# Altium PCB 大创_电机驱动底层板.PcbDoc
Units mm, origin at the board's own origin, x right, y up, seen from the top; angles counter-clockwise.
Board outline 99 x 99 mm, 2 copper layers (Top Layer, Bottom Layer); 26 components, 36 nets, 142 pads, 43 vias.
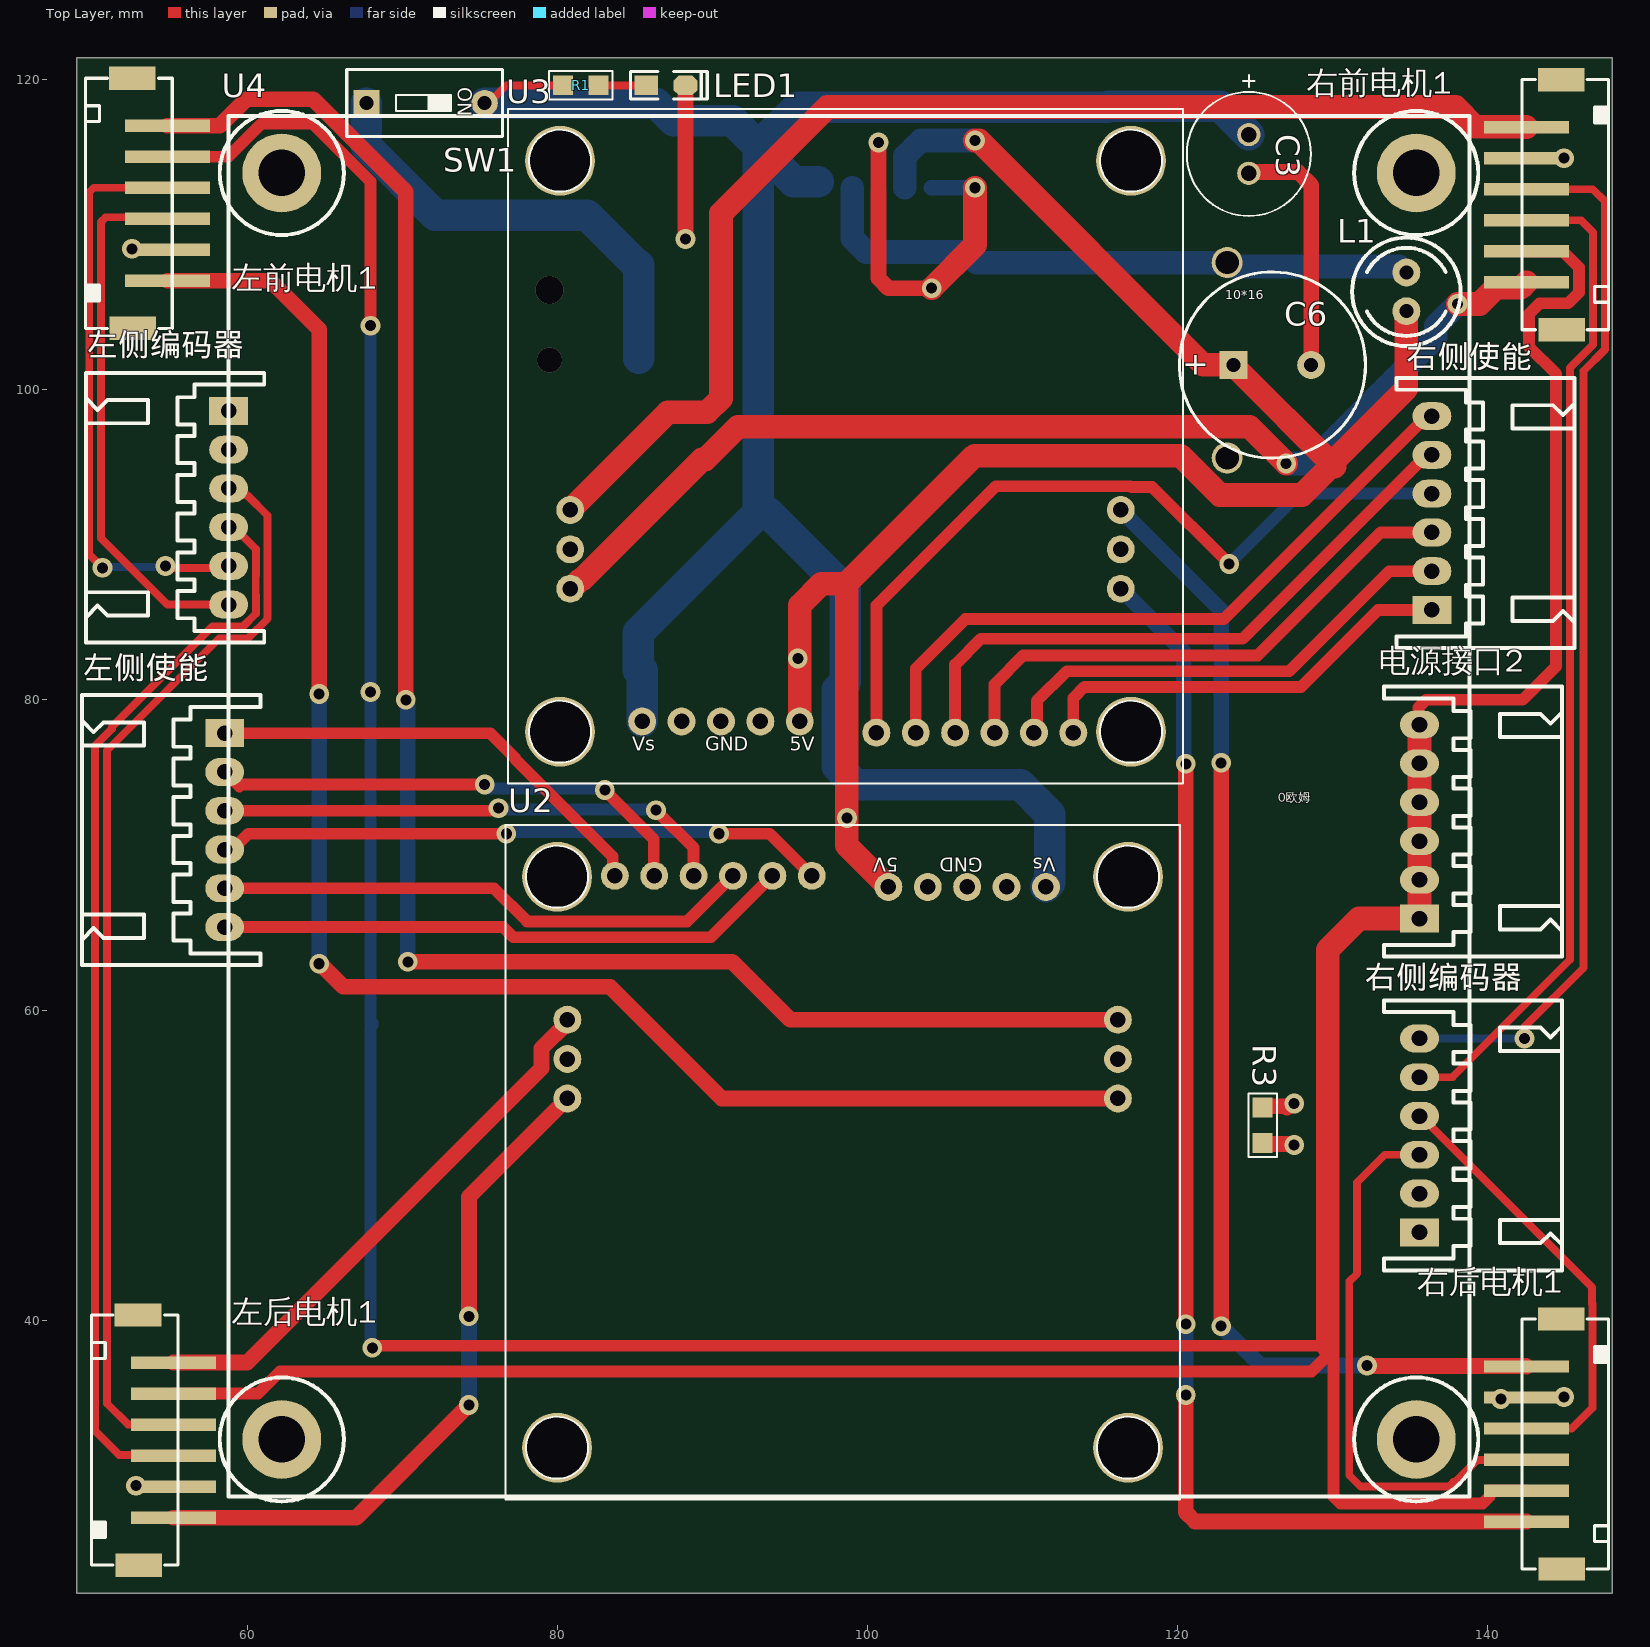
[diagram p0: Top Layer view]
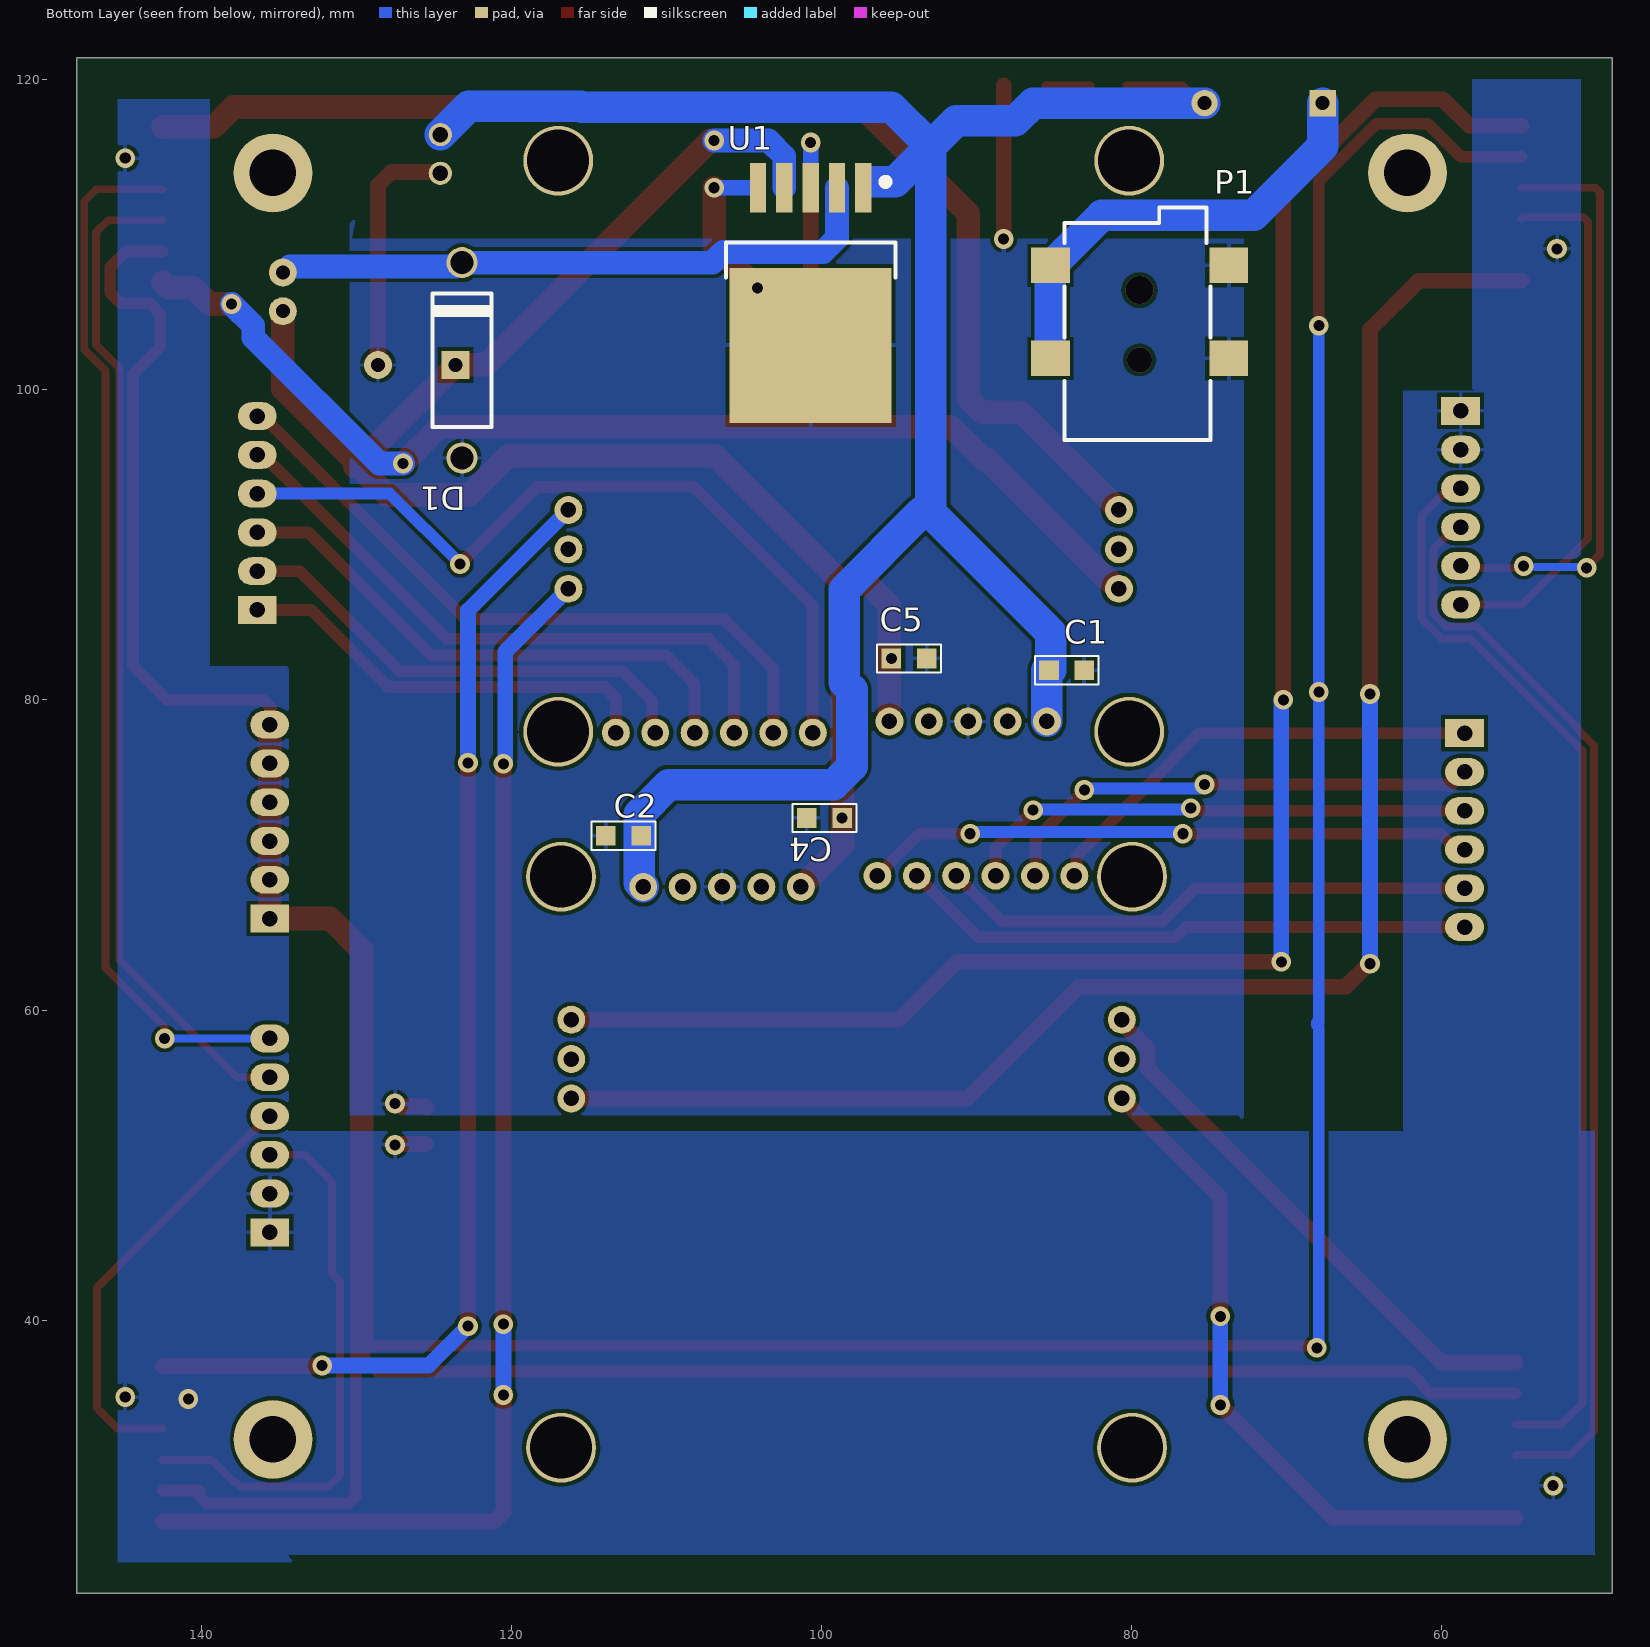
[diagram p1: Bottom Layer view, seen from below]

## Layer stack, top to bottom
Top Solder: solder mask 0.0102, Solder Resist, Dk 3.5
Top Layer: signal copper 0.0356
Dielectric 1: dielectric 0.32, FR-4, Dk 4.8
Bottom Layer: signal copper 0.0356
Bottom Solder: solder mask 0.0102, Solder Resist, Dk 3.5

## Board outline
49.022,22.412 49.022,121.412 148.022,121.412 148.022,22.412

## Design rules (kind name [scope] priority, off if disabled: settings)
Clearance [All] p1: gap=0.254 ignorepadtopadclearanceinfootprint=FALSE except(0: Arc-Hole Track-Hole SMDPad-Hole THPad-Hole Via-Hole Fill-Hole Poly-Hole Region-Hole Text-Hole)
HoleSize [All] p1: absolutevalues=TRUE maxlimit=1119.426 minlimit=0.025 maxpercent=80.000 minpercent=20.000
PolygonConnect [All] p1: connectstyle=Relief reliefconductorwidth=0.254 reliefentries=4 polygonreliefangle="90 Angle" airgapwidth=0.254
RoutingVias [All] p1: holewidth=0.711 width=1.27 viastyle="Through Hole" minholewidth=0.711 minwidth=1.27 maxholewidth=0.711 maxwidth=1.27
SilkToSilkClearance [All] p1: silktosilkclearance=0.025
SilkToSolderMaskClearance [IsPad] p1: minsilkscreentomaskgap=0.025 clearancetoexposedcopper=TRUE
SolderMaskExpansion [All] p1: expansion=0.102 istentingtop=FALSE
Width [All] p1: maxlimit=2.54 minlimit=0.254 preferedwidth=0.508 minimp=50.000000 maximp=50.000000 favimp=50.000000
27 further rules are at their usual default settings.

## Components (designator, comment, footprint, x,y, rotation, side; value= is the part's Value field where it differs from the comment)
C1 "100nF" "C 0805_M" 84.201,81.915 r180 bottom
C2 "100nF" "C 0805_M" 112.776,71.247 r0 bottom
C3 "100uF" C-引线铝电解电容-6.3*11 124.587,115.209 r270 top locked value=68uF
C4 "100nF" "C 0805_M" 99.822,72.39 r0 bottom
C5 "100nF" "C 0805_M" 94.361,82.677 r180 bottom
C6 "330uF 铝电解" "C_引线铝电解电容 10*16" 126.111,101.6 r0 top value=330uF
D1 "IN5822" D_直插_IN5822 123.19,102.031 r90 bottom
L1 "Inductor" 电感(PK0608) 134.747,106.319 r90 top locked value=330uH
LED1 "电源指示" "LED 0805R" 86.995,119.634 r0 top
P1 "POWER" 电源插座DC-050-5.5*2.1_贴片 79.502,106.426 r90 bottom
R1 "12k" "R 0805_M" 81.506,119.634 r180 top
R3 "0欧姆" "R 0805_M" 125.476,52.578 r270 top
SW1 "" 蓝色拨码开关_1p 71.501,118.491 r270 top
U1 "LM2575-5.0" TO263-5A 100.711,113.284 r0 bottom
U2 "红色L298N模块" 红色L298N模块 120.146,28.445 r180 top locked
U3 "红色L298N模块" 红色L298N模块 76.831,118.113 r0 top locked
U4 "STM32F103ZET6_MCU_PCB" STM32F103ZET6_MCU模块 98.806,73.152 r0 top locked
右侧使能 "XH6" XH6/2.54mm/90 136.398,85.805 r90 top (schematic designator XH3)
右侧编码器 "XH6" XH6/2.54mm/90 135.594,45.673 r90 top (schematic designator XH5)
右前电机1 "电机走线-6pin" PH2.0S-6P 142.494,116.935 r270 top
右后电机1 "电机走线-6pin" PH2.0S-6P 142.494,37.02 r270 top
左侧使能 "XH6" XH6/2.54mm/90 58.547,77.858 r270 top (schematic designator XH2)
左侧编码器 "XH6" XH6/2.54mm/90 58.801,98.646 r270 top (schematic designator XH4)
左前电机1 "电机走线-6pin" PH2.0S-6P 54.864,107.03 r90 top
左后电机1 "电机走线-6pin" PH2.0S-6P 55.245,27.274 r90 top
电源接口2 "XH6" XH6/2.54mm/90 135.594,65.906 r90 top (schematic designator XH6)

## Footprints (in the part's own frame and the unit in brackets; to place one, negate y for a bottom-side part, rotate by r counter-clockwise, add the part's x,y. Pads: shape width x height; smd on the part's side, far side on the other; paste and mask are expansions set on the pad)
"C 0805_M" [mil] "1/8W贴片电阻"
  rect 50x50 smd: 1(-45,0) 2(45,0)
  silkscreen extent -81,-36 81,36, body extent -39,-25 39,25, height 20
C-引线铝电解电容-6.3*11 [mm]
  round 1.5 hole 1 paste+0: 1(-1.25,0) 2(1.25,0)
  silkscreen extent -5.08,-4 4,4
"C_引线铝电解电容 10*16" [mm] "Polarized Capacitor (Radial); 2 Leads"
  rect 1.8x1.8 hole 0.9: 1(-2.5,0)
  round 1.8 hole 0.9: 2(2.5,0)
  silkscreen extent -6,-6 6,6
D_直插_IN5822 [mm]
  round 2 hole 1.5: 1(-6.427,0) 2(6.173,0)
  silkscreen extent -4.43,-1.9 4.17,1.9
"LED 0805R" [mil] "红色0805LED"
  rect 60x50 smd: 1(-50,0)
  oct 60x50 smd: 2(50,0)
  silkscreen extent -90,-35 105,35, body extent -39,-25 39,25, height 32
PH2.0S-6P [mm]
  rect 1.5x3 smd: 0(-3.064,2.238) 0(13.064,2.286)
  rect 0.8x5.5 smd: 1(0,0) 2(2,0) 3(4,0) 4(6,0) 5(8,0) 6(10,0)
  silkscreen extent -3.06,-0.3 13.06,5.29, body extent -3,-2.5 13,5.3, height 6.15
"R 0805_M" [mil] "1/8W贴片电阻"
  rect 50x50 smd: 1(-45,0) 2(45,0)
  silkscreen extent -81,-36 81,36, body extent -39,-25 39,25, height 20
STM32F103ZET6_MCU模块 [mil] "M3铜柱，长：10mm"
  round 200 hole 118.11: 1(-1440,1607.5) 2(1440,1607.5) 3(-1440,-1607.5) 4(1440,-1607.5)
  silkscreen extent -1597,-1765 1597,1765, body extent -1546,-1700 1546,1700, height 396
TO263-5A [mm] "263，5脚晶体管"
  rect 1.05x3.2 smd: 1(-3.4,0.254) 2(-1.7,0.254) 3(0,0.254) 4(1.7,0.254) 5(3.4,0.254)
  rect 10.45x10 smd: 6(0,10.414)
  silkscreen extent -5.46,-0.33 5.46,6.04, body extent -5,0.24 5,13.57, height 4.5
XH6/2.54mm/90 [mm]
  rect 1.8x2.5 hole 1: 1(0,0)
  oval 1.8x2.5 hole 1: 2(2.5,0) 3(5,0) 4(7.5,0) 5(10,0) 6(12.5,0)
  silkscreen extent -2.45,-9.2 14.95,2.3, body extent -2.45,-9.2 14.95,2.3, height 6.1
电感(PK0608) [mm] "2.5*7*10mm(脚距，直径，高）"
  round 1.8 hole 0.9: 1(-1.25,0) 2(1.25,0)
  silkscreen extent -3.5,-3.5 3.5,3.5, body extent -3.5,-3.5 3.5,3.5, height 10.02
电源插座DC-050-5.5*2.1_贴片 [mm] "5.5*2.1"
  rect 2.3x2.5 smd: 1(-4.4,5.75) 1(1.6,5.75) 2(-4.4,-5.75) 3(1.6,-5.75)
  silkscreen extent -9.65,-4.57 5.33,4.83, body extent -9.59,-6.3 5.21,6.3, height 11
红色L298N模块 [mm]
  round 4.5 hole 4 unplated paste+0: 0(3.34,-40.16) 0(3.34,-3.34) 0(40.16,-3.34) 0(40.16,-40.16)
  round 1.8 hole 1 paste+0: 0(4,-28.4) 0(11.18,-39.5) 0(16.26,-39.5) 0(39.5,-28.4) 1(8.64,-39.5) 2(13.72,-39.5) 3(18.8,-39.5) 4(23.74,-40.22) 5(26.28,-40.22) 6(28.82,-40.22) 7(31.36,-40.22) 8(33.9,-40.22) 9(36.44,-40.22) 10(4,-25.86) 11(4,-30.94) 12(39.5,-25.86) 13(39.5,-30.94)
  silkscreen extent 0,-43.5 43.5,0
蓝色拨码开关_1p [mm] "4.1*9.9*7mm"
  rect 1.7x1.7 hole 0.9: 1(0,-3.81)
  round 1.7 hole 0.9: 2(0,3.81)
  silkscreen extent -2.16,-5.08 2.16,4.95, body extent -2.07,-4.95 2.03,4.95, height 6.65

## Part data
C1 C2 C4 C5: library part C0805, "瓷片0805电容"
C3: library part "Cap Pol1", "引线 铝电解电容 100uF 50V", LatestRevisionDate=17-Jul-2002, LatestRevisionNote="Re-released for DXP Platform.", PackageDescription="Polarized Capacitor (Radial); 2 Leads", PackageReference=RB7.6-15, Published=8-Jun-2000, Publisher="Altium Limited"
C6: library part "Cap Pol1", "50V 330uF 铝电解电容", LatestRevisionDate=17-Jul-2002, LatestRevisionNote="Re-released for DXP Platform.", PackageDescription="Polarized Capacitor (Radial); 2 Leads", PackageReference=RB7.6-15, Published=8-Jun-2000, Publisher="Altium Limited"
D1: library part Diode, "肖特基直插 最大整流3A", Code_JEDEC=DO-214-AB, LatestRevisionDate=17-Jul-2002, LatestRevisionNote="Re-released for DXP Platform.", PackageDescription="DO-214-AB/SMC; 2 C-Bend Leads; Body 7.9 x 5.9 mm, inc. leads (LxW)", PackageReference=SMC, PackageVersion=Sep-1996, Published=8-Jun-2000, Publisher="Altium Limited"
LED1: library part LED-SMD, "贴片LED", BOM名称=贴片LED, 学习资源=https://lmdzstyle.taobao.com/, 版权归属=黎明电子style
R1 R3: library part R, "贴片电阻", BOM名称=贴片电阻, 学习资源=https://lmdzstyle.taobao.com/, 版权归属=黎明电子style
SW1: library part "TSW 3x6", "船型开关", BOM名称=3x6轻触开关, 学习资源=https://lmdzstyle.taobao.com/, 版权归属=黎明电子style
U1: "降压芯片"
L1: Code_IEC=1005, Code_JEITA=0402, LatestRevisionDate=29-May-2009, LatestRevisionNote="IPC-7351 Footprint Added.", PackageDescription="Chip Inductor", PackageReference=0402-A, Published=8-Jun-2000, Publisher="Altium Limited"

## Via types
v1: diameter 1.27, hole 0.711, Top Layer to Bottom Layer, 41 vias
v2: diameter 1.8, hole 1.8, Top Layer to Bottom Layer, 1 vias
v3: diameter 1.6, hole 1.6, Top Layer to Bottom Layer, 1 vias

## Nets (pads, with @x,y where several pads share a name; then routed paths per layer and width w, separated by ;. In a path a pad name is that pad's centre, name@x,y a point inside that pad or via, vN(x,y) a via of type N, cw(c..) or ccw(c..) an arc to the next point about the centre after c; other vN are vias at no path point)
GGND: R3.2 右侧编码器.1 右侧编码器.2 右前电机1.2 右后电机1.2 左侧编码器.1 左侧编码器.2 左前电机1.2 左后电机1.2 | length 2.1
  Top Layer w0.508: R3.2 R3.2@125.539,51.371 ; v1@127.444,51.371 v1(127.508,51.308)
  Top Layer w1.016: R3.2@125.539,51.371 v1@127.444,51.371
  other v1: 52.832,29.337 140.843,34.925 144.907,35.052 52.578,109.093 144.907,114.935
GND: C1.2 C2.2 C3.2 C4.2 C5.2 C6.2 D1.1 LED1.2 P1.2 P1.3 R3.1 U1.3 U1.5 U1.6 U2.2 U3.2 | length 54
  Top Layer w0.508: v1@127.048,53.721 127.302,53.975 v1(127.508,53.975)
  Top Layer w1.016: v1(88.265,109.728) LED1.2 ; v1(100.711,115.951) 100.711,107.188 101.346,106.553 v1(104.14,106.553) ; C3.2@124.49,114.046 127.762,114.046 128.611,113.197 C6.2 ; R3.1 125.565,53.81 126.959,53.81 v1@127.048,53.721
  Top Layer w1.524: v1(104.14,106.553) 106.934,109.347 v1(106.934,113.03)
  Bottom Layer w1.016: U1.3 v1(100.711,115.951) ; U1.5 v1(106.934,113.03)
NetD1_2: D1.2 L1.2 U1.2 | length 39.8
  Bottom Layer w1.524: U1.2 99.011,109.779 99.904,108.886 106.357,108.886 107.039,108.204 123.319,108.204 123.573,107.95 134.291,107.95 134.534,107.707 L1.2@134.657,107.584
NetLED1_1: LED1.1 R1.1 | length 2.9
  Top Layer w0.508: R1.1 LED1.1@85.57,119.634
VBAT24: P1.1 SW1.1 | length 29.5
  Bottom Layer w2.032: SW1.1 67.691,115.697 72.135,111.253 81.925,111.253 85.152,108.026 85.252,108.026 P1.1@85.252,102.026
VCC5_motor_Vss: C4.1 C5.1 C6.1 L1.1 U1.4 U2.3 U3.3 | length 119.1
  Top Layer w1.524: U3.3 95.631,82.677 95.631,86.102 97.032,87.503 98.655,87.503 ; U2.3 98.655,70.636 98.655,72.39 98.655,87.503 ; v1(106.934,116.078) 107.188,116.078 121.646,101.62 C6.1@123.591,101.62 ; C6.1 123.749,101.462 123.749,101.422 130.112,95.059 ; 129.921,95.25 134.747,100.076 L1.1 ; 129.984,95.186 128.016,93.218 122.725,93.218 120.185,95.758 106.91,95.758 98.655,87.503
  Bottom Layer w1.524: U1.4 102.411,115.058 103.431,116.078 v1(106.934,116.078)
  other v1: 98.679,72.39 95.504,82.677
VCC5MCU: 右前电机1.5 右后电机1.5 左前电机1.5 左后电机1.5 电源接口2.1 电源接口2.2 电源接口2.3 电源接口2.4 电源接口2.5 电源接口2.6 | length 344.9
  Top Layer w0.762: 左前电机1.5 58.787,115.03 60.915,117.157 64.233,117.157 67.945,113.446 v1(67.945,104.14) ; 左后电机1.5 60.692,35.274 62.121,36.703 128.651,36.703 129.651,37.703 129.651,38.211 129.667,38.227 ; v1(68.072,38.227) 68.169,38.324 68.528,38.324 68.558,38.354 129.667,38.354 ; 129.667,43.18 130.048,42.799 130.048,38.354 130.048,38.227 130.048,28.64 130.494,28.194 139.679,28.194 140.125,28.64 140.125,29.001 140.144,29.02 右后电机1.5 ; 电源接口2.6 135.509,78.491 135.509,79.502 136.017,80.01 142.24,80.01 144.399,82.169 144.399,101.027 142.645,102.781 142.645,104.884 143.339,105.578 145.185,105.578 145.879,106.272 145.879,107.9 144.863,108.916 142.513,108.916 右前电机1.5
  Top Layer w1.524: 129.667,38.354 129.667,43.18 129.667,63.881 131.692,65.906 电源接口2.1 电源接口2.2 电源接口2.3 电源接口2.4 电源接口2.5 电源接口2.6
  Bottom Layer w0.762: 67.945,59.182 v1(67.945,80.518) v1(67.945,104.14) ; v1(68.072,38.227) 67.975,38.324 67.975,38.683 67.945,38.713 67.945,58.918 68.072,59.045 68.072,59.182
VCC24: C1.1 C2.1 C3.1 R1.2 SW1.2 U1.1 U2.1 U3.1 | length 141.9
  Top Layer w0.508: SW1.2 75.57,118.491 76.713,119.634 R1.2
  Bottom Layer w2.032: SW1.2 86.36,118.491 87.503,117.348 91.313,117.348 92.964,115.697 ; C1.1@85.217,81.915 85.217,84.328 92.964,92.075 ; U3.1 C1.1@85.471,81.915 ; U1.1@96.82,113.411 95.25,113.411 92.964,115.697 ; U2.1 111.76,68.199 111.76,71.247 111.76,72.644 109.855,74.549 99.234,74.549 98.044,75.739 98.044,80.645 98.552,81.153 98.552,87.122 93.599,92.075 92.964,92.075 ; C3.1 122.753,118.293 115.533,118.293 115.477,118.237 95.504,118.237 92.964,115.697 ; 92.964,92.075 92.964,115.697
右前ENABLE: U3.4 右侧使能.4 | length 51.2
  Top Layer w0.762: U3.4 100.584,77.906 100.584,86.106 108.266,93.788 116.967,93.788 117.029,93.726 118.364,93.726 v1(123.317,88.773)
  Bottom Layer w0.762: v1(123.317,88.773) 127.849,93.305 右侧使能.4
右前IN1: U3.5 右侧使能.6 | length 44.2
  Top Layer w0.762: U3.5 103.111,82.029 106.299,85.217 122.96,85.217 136.048,98.305 右侧使能.6
右前IN2: U3.6 右侧使能.5 | length 40.7
  Top Layer w0.762: U3.6 105.651,82.283 107.315,83.947 124.19,83.947 136.048,95.805 右侧使能.5
右前电机正: U3.10 右前电机1.1 | length 80
  Top Layer w1.524: U3.10 87.13,98.552 89.658,98.552 90.551,99.445 90.551,111.379 97.409,118.237 137.922,118.237 139.192,116.967 142.462,116.967 右前电机1.1
右前电机负: U3.11 右前电机1.6 | length 72.3
  Top Layer w1.524: U3.11 80.906,87.173 81.53,87.797 81.625,87.797 89.332,95.504 89.535,95.504 91.651,97.62 124.63,97.62 v1(127,95.25) ; v1(138.05,105.538) 139.471,105.538 140.506,106.573 142.132,106.573 右前电机1.6
  Bottom Layer w1.524: v1(127,95.25) 128.524,95.25 136.652,103.378 136.652,104.14 v1(138.05,105.538)
右前编码器正: 右侧编码器.6 右前电机1.3 | length 68.3
  Top Layer w0.508: v1(142.367,58.166) 142.367,58.928 146.177,62.738 146.177,101.222 147.55,102.595 147.55,112.153 146.768,112.935 右前电机1.3
  Bottom Layer w0.508: 右侧编码器.6 135.598,58.17 142.363,58.17 v1(142.367,58.166)
右前编码器负: 右侧编码器.5 右前电机1.4 | length 65
  Top Layer w0.508: 右侧编码器.5 137.715,55.673 145.288,63.246 145.288,101.411 146.788,102.911 146.788,110.153 146.006,110.935 右前电机1.4
右后ENABLE: U3.9 右侧使能.1 | length 27.7
  Top Layer w0.762: U3.9 113.271,80.124 113.985,80.838 127.955,80.838 132.922,85.805 右侧使能.1
右后IN1: U3.7 右侧使能.3 | length 35.4
  Top Layer w0.762: U3.7 108.191,81.013 110.048,82.87 125.161,82.87 133.096,90.805 右侧使能.3
右后IN2: U3.8 右侧使能.2 | length 31.1
  Top Layer w0.762: U3.8 110.924,78.086 110.924,79.936 112.842,81.854 127.193,81.854 133.644,88.305 右侧使能.2
右后电机正: U3.12 右后电机1.1 | length 76.1
  Top Layer w1.016: v1(122.809,39.624) v1(122.809,75.946) ; v1(132.207,37.084) 132.239,37.052 142.462,37.052 右后电机1.1
  Bottom Layer w1.016: U3.12 122.809,85.775 v1(122.809,75.946) ; v1(122.809,39.624) 125.349,37.084 v1(132.207,37.084)
右后电机负: U3.13 右后电机1.6 | length 83.3
  Top Layer w1.016: v1(120.523,35.179) 120.523,27.615 121.118,27.02 右后电机1.6 ; v1(120.523,39.751) v1(120.523,75.882)
  Bottom Layer w1.016: U3.13 120.396,83.108 120.396,76.2 v1@120.523,76.073 ; v1(120.523,35.179) v1(120.523,39.751)
右后编码器正: 右侧编码器.4 右后电机1.3 | length 28.3
  Top Layer w0.508: 右侧编码器.4 135.676,53.173 146.729,42.12 146.729,41.056 146.74,41.044 146.74,34.345 145.415,33.02 右后电机1.3
右后编码器负: 右侧编码器.3 右后电机1.4 | length 36.3
  Top Layer w0.508: 右侧编码器.3 133.35,50.673 131.572,48.895 131.572,43.007 131.064,42.499 131.064,30.016 131.806,29.273 137.477,29.273 137.795,29.591 137.922,29.591 139.319,30.988 142.462,30.988 右后电机1.4
左前ENABLE: U2.4 左侧使能.4 | length 39.5
  Top Layer w0.762: 左侧使能.4 59.068,70.358 60.084,71.374 v1(76.708,71.374) ; v1(90.424,71.374) 93.697,71.374 U2.4
  Bottom Layer w0.762: v1(76.708,71.374) 76.824,71.49 90.308,71.49 v1(90.424,71.374)
左前IN1: U2.5 左侧使能.6 | length 37.2
  Top Layer w0.762: 左侧使能.6 76.501,65.358 77.155,64.704 89.905,64.704 U2.5
左前IN2: U2.6 左侧使能.5 | length 34.9
  Top Layer w0.762: 左侧使能.5 75.906,67.858 78.044,65.72 88.381,65.72 U2.6
左前电机正: U2.10 左前电机1.1 | length 107.1
  Top Layer w1.016: 左前电机1.1 61.499,107.03 64.643,103.886 v1(64.643,80.391) ; v1(64.643,62.992) 64.712,62.992 66.197,61.507 83.4,61.507 90.602,54.305 U2.10
  Bottom Layer w1.016: v1(64.643,62.992) v1(64.643,80.391)
左前电机负: U2.11 左前电机1.6 | length 115.6
  Top Layer w1.016: 左前电机1.6 58.229,117.03 59.944,118.745 64.262,118.745 70.231,112.776 v1(70.231,80.01) ; v1(70.358,63.119) 91.279,63.119 95.013,59.385 U2.11
  Bottom Layer w1.016: v1(70.231,80.01) 70.358,79.883 v1(70.358,63.119)
左前编码器正: 左侧编码器.6 左前电机1.3 | length 34.8
  Top Layer w0.508: 左前电机1.3 54.769,111.125 50.875,111.125 50.577,110.827 50.577,90.433 54.863,86.146 左侧编码器.6
左前编码器负: 左侧编码器.5 左前电机1.4 | length 37.2
  Top Layer w0.508: v1(50.673,88.519) 49.815,89.377 49.815,112.732 50.113,113.03 左前电机1.4 ; v1(54.737,88.646) 54.864,88.519 58.674,88.519 左侧编码器.5
  Bottom Layer w0.508: v1(50.673,88.519) 50.736,88.582 53.975,88.582
左后ENABLE: U2.9 左侧使能.1 | length 29.7
  Top Layer w0.762: 左侧使能.1 75.685,77.858 77.286,76.257 77.286,76.188 83.575,69.899 83.575,68.796 U2.9
左后IN1: U2.7 左侧使能.3 | length 33.2
  Top Layer w0.762: 左侧使能.3 76.033,72.858 v1(76.2,73.025) ; v1(86.36,72.898) 88.786,70.472 U2.7
  Bottom Layer w0.762: v1(76.2,73.025) 76.295,72.93 86.328,72.93 v1(86.36,72.898)
左后IN2: U2.8 左侧使能.2 | length 32
  Top Layer w0.762: 左侧使能.2 59.483,74.422 59.61,74.549 v1(75.311,74.549) ; v1(83.058,74.2) 83.058,74.168 86.213,71.013 86.213,68.698 U2.8
  Bottom Layer w0.762: v1(75.311,74.549) 75.565,74.295 82.963,74.295 v1(83.058,74.2)
左后电机正: U2.12 左后电机1.1 | length 44.5
  Top Layer w1.016: 左后电机1.1 67.025,27.274 v1(74.295,34.544) ; v1(74.295,40.259) 74.295,47.954 U2.12
  Bottom Layer w1.016: v1(74.295,34.544) v1(74.295,40.259)
左后电机负: U2.13 左后电机1.6 | length 35.4
  Top Layer w1.016: 左后电机1.6 60.007,37.274 78.984,56.251 78.984,57.533 80.646,59.195 U2.13
左后编码器正: 左侧编码器.4 左后电机1.3 | length 70.4
  Top Layer w0.508: 左后电机1.3 55.194,31.325 51.733,31.325 50.189,32.869 50.189,77.048 51.272,78.131 51.272,78.258 57.752,84.738 59.734,84.738 60.559,85.563 60.559,86.729 60.55,86.738 60.55,88.054 60.559,88.063 60.559,89.738 59.151,91.146 左侧编码器.4
左后编码器负: 左侧编码器.3 左后电机1.4 | length 70.7
  Top Layer w0.508: 左后电机1.4 52.324,33.274 50.951,34.647 50.951,76.732 58.195,83.976 60.05,83.976 61.321,85.247 61.321,87.045 61.312,87.054 61.312,87.474 61.321,87.483 61.321,91.887 60.024,93.184 59.962,93.184 59.501,93.646 左侧编码器.3
pads on no net: U2.0 U3.0 U4.1 U4.2 U4.3 U4.4 右前电机1.0 右后电机1.0 左前电机1.0 左后电机1.0
copper on no net:
  other v2: 79.502,106.426
  other v3: 79.502,101.926

## Polygon pours and split planes (outlines as drawn)
GND on Bottom Layer "GND_L02_P006" (solid, pour order 6): 130.048,111.125 130.429,110.744 130.429,53.213 73.152,53.213 72.898,52.959 72.771,53.086 72.771,109.728 130.302,109.728
GGND on Bottom Layer "GGND_L02_P005" (solid, pour order 5): 49.911,120.142 50.038,120.015 58.039,120.015 58.039,100.076 57.912,99.949 62.484,99.949 62.484,46.863 62.103,46.482 51.054,46.482 51.054,120.015
GGND on Bottom Layer "GGND_L02_P003" (solid, pour order 3): 139.192,52.197 50.292,52.197 50.165,52.324 50.165,24.892 138.938,24.892 139.065,25.019 139.065,52.324
GGND on Bottom Layer "GGND_L02_P002" (solid, pour order 2): 145.542,118.745 145.401,118.604 145.401,24.406 134.007,24.406 134.366,24.765 134.366,82.042 134.493,82.169 139.446,82.169 139.446,118.745

## Silkscreen, mask and mechanical layers (free items; w line width, h text height)
Top Overlay:
  text "0欧姆" at 126.492,73.251 h1.02
Mechanical 1:
  the board outline again, w0.254

## Text inside footprints (layer, text, board x,y; h text height)
C6: Top Overlay "10*16" at 123.064,105.656 h1.02; Top Overlay "+" at 120.285,100.965 h1.5
SW1: Top Overlay "ON" at 73.279,119.507 h1.52 r270
U2: Top Overlay "5V" at 101.985,70.112 h1.52 r180; Top Overlay "GND" at 107.446,70.112 h1.52 r180; Top Overlay "Vs" at 112.145,70.119 h1.52 r180
U3: Top Overlay "5V" at 94.992,76.446 h1.52; Top Overlay "GND" at 89.531,76.446 h1.52; Top Overlay "Vs" at 84.832,76.439 h1.52